# Altium PCB PCB1 - 副本 (2).PcbDoc (part 2 of 2)
Units mm, origin at the board's own origin, x right, y up, seen from the top; angles counter-clockwise.
Board outline 37.12 x 50.11 mm, 4 copper layers (Top Layer, GND02, PWRO3, Bottom Layer), stack 0.603 mm thick; 63 components, 63 nets, 344 pads, 86 vias.
Unrouted connection lines stored in the file: 23.
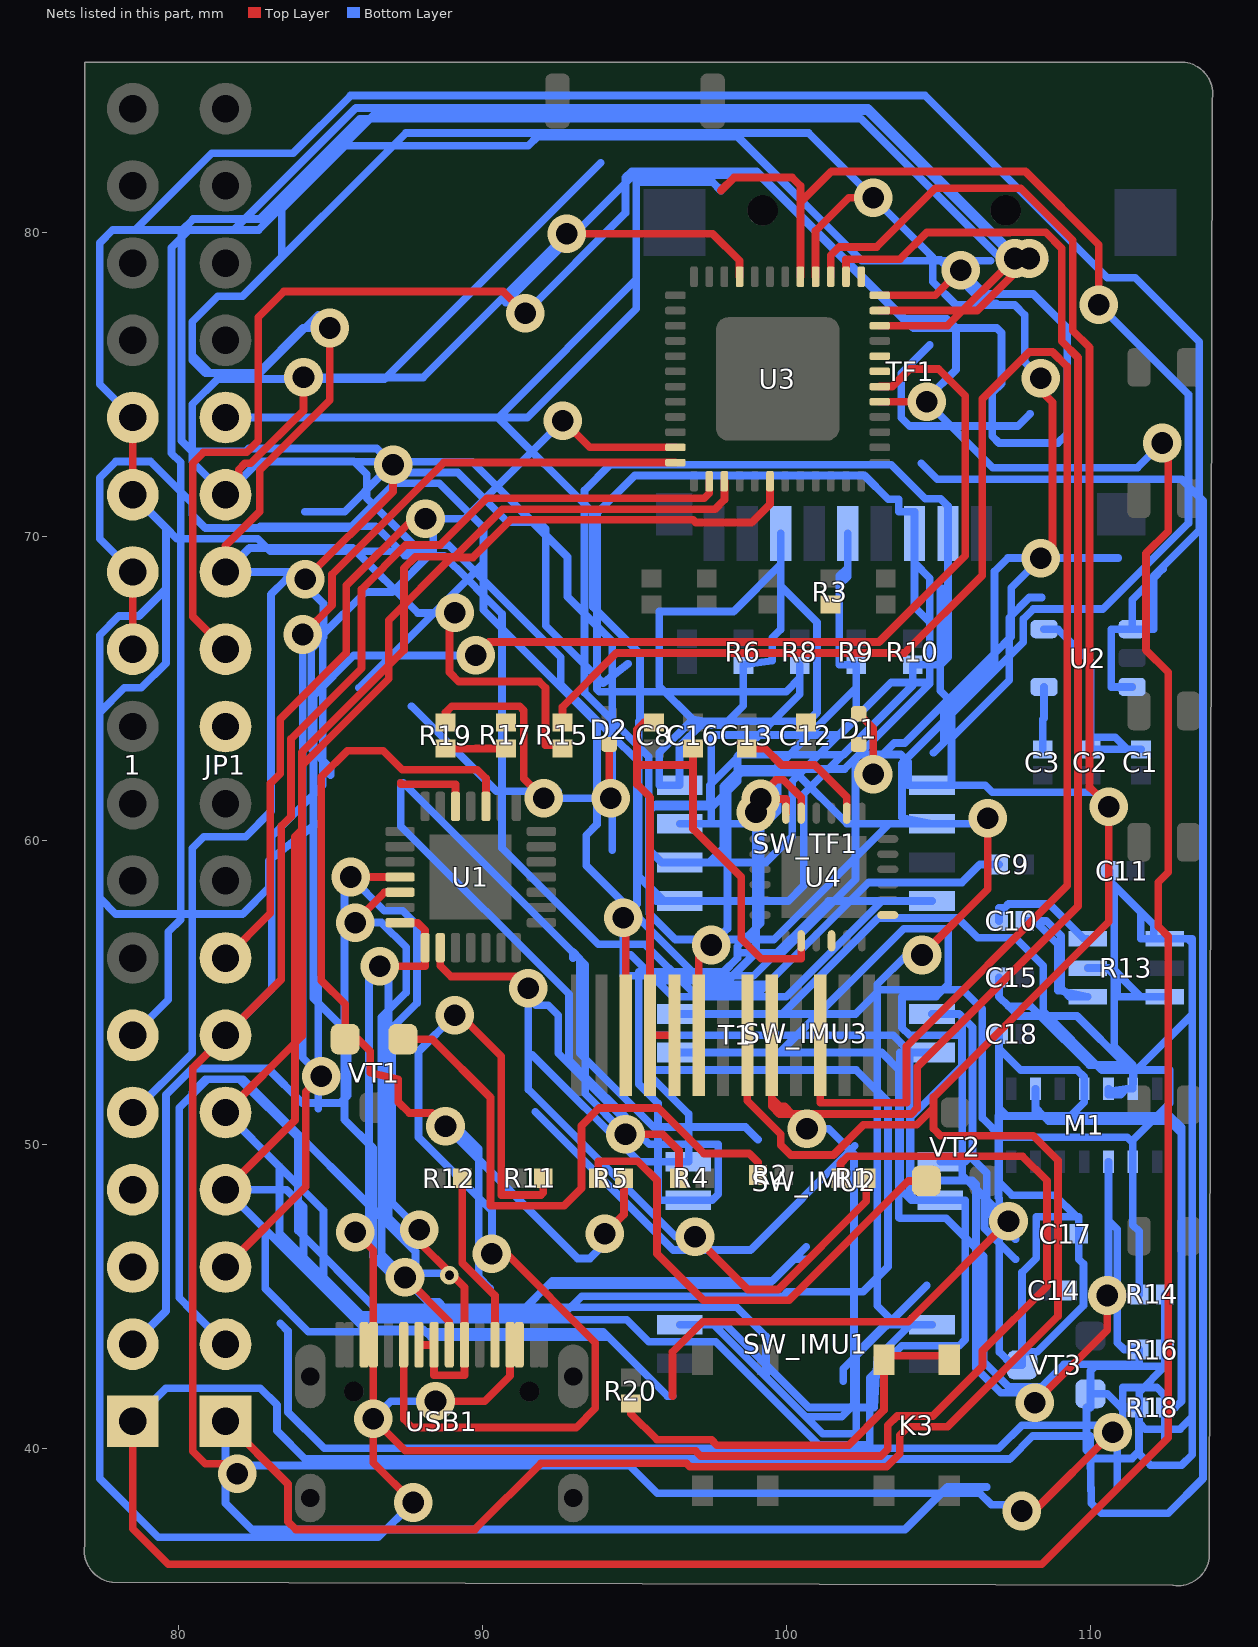
[diagram p4: the nets of this part, all layers, seen from the top]

## Via types
v1: diameter 1.27, hole 0.711, Top Layer to Bottom Layer, tented both sides, 85 vias
v2: diameter 0.61, hole 0.305, Top Layer to Bottom Layer, tented both sides, 1 vias

## Nets (pads, with @x,y where several pads share a name; then routed paths per layer and width w, separated by ;. In a path a pad name is that pad's centre, name@x,y a point inside that pad or via, vN(x,y) a via of type N, cw(c..) or ccw(c..) an arc to the next point about the centre after c; other vN are vias at no path point) (continued)
GPIO14: JP1.14 SW_IMU1.2 SW_IMU1.3 SW_TF1.6 T1.9 U3.17 | length 161.9
  Top Layer w0.254: T1.9@97.1,53.6 97.1,56.155 v1(97.511,56.566) ; 97.834,81.382 98.26,81.808 100.178,81.808 100.445,81.541 100.445,80.989 ; U3.17@100.445,78.547 100.445,80.989 ; v1(104.445,56.236) 106.604,58.395 v1(106.604,60.731) ; v1(110.261,77.622) 110.261,79.598 107.85,82.01 101.466,82.01 100.445,80.989
  Bottom Layer w0.254: JP1.14@81.534,73.914 90.494,73.914 ; SW_IMU1.2@96.474,44.077 97.596,44.077 ; v1(97.511,56.566) v1@97.688,56.744 ; 97.834,81.382 97.561,81.654 ; v1(104.445,56.236) 103.937,56.236 102.972,55.27 102.972,44.704 103.599,44.077 ; SW_IMU1.3@104.774,44.077 SW_IMU1.3@104.062,44.077 ; v1(106.604,60.731) 106.422,60.55 SW_TF1.6@104.774,60.55 ; v1(110.261,77.622) 113.208,74.676 113.208,70.434 110.388,67.615 108.102,67.615 107.772,67.285 107.772,66.523 103.784,62.535 103.784,60.757 SW_TF1.6@104.774,60.55 ; 90.494,73.914 90.5,73.914 ; 90.494,73.914 90.497,73.911 ; 90.497,73.911 90.5,73.914 ; 90.497,73.911 93.624,70.784 93.624,67.684 95.171,66.137 95.171,63.96 95.123,63.913 95.123,58.826 95.477,58.472 95.477,57.601 96.335,56.744 v1@97.688,56.744 ; 90.5,73.914 95.047,78.461 ; 90.5,73.914 91.462,73.914 95.047,77.499 95.047,78.461 ; 95.047,78.461 95.047,81.654 ; 95.047,81.654 95.047,81.661 97.554,81.661 97.561,81.654 ; 95.047,81.654 97.561,81.654 ; 97.596,44.077 97.993,44.077 100.717,41.353 102.286,41.353 ; 97.596,44.077 101.185,40.488 102.286,40.488 102.286,41.353 ; v1@97.688,56.744 98.044,57.099 98.044,61.773 98.501,62.23 100.301,62.23 101.981,60.55 103.372,60.55 ; v1@97.688,56.744 99.566,56.744 103.372,60.55 ; 102.286,41.353 102.286,43.137 103.226,44.077 103.599,44.077 ; 102.286,41.353 102.868,41.353 102.976,42.991 SW_IMU1.3@104.062,44.077 ; 103.372,60.55 SW_TF1.6@104.774,60.55 ; 103.599,44.077 SW_IMU1.3@104.062,44.077
GPIO15: JP1.13 SW_TF1.8 T1.12 U3.21 | length 116
  Top Layer w0.254: JP1.13@81.534,71.374 81.966,71.374 81.966,72.201 82.176,72.411 82.368,72.411 84.099,74.143 v1(84.099,75.235) ; v1(92.761,79.959) 97.554,79.959 98.445,79.068 U3.21@98.445,78.547 ; v1(94.615,57.455) 94.7,57.37 T1.12@94.7,53.6
  Bottom Layer w0.254: v1(84.099,75.235) 86.817,75.235 ; v1(92.761,79.959) 88.036,75.235 86.817,75.235 ; 93.878,82.296 86.817,75.235 ; 94.259,59.69 94.259,63.449 ; 94.7,56.244 94.86,56.244 95.555,55.55 ; SW_TF1.8@104.774,58.01 103.124,58.01 ; 82.62,72.46 85.769,72.46 ; 82.62,72.46 82.638,72.478 85.75,72.478 85.769,72.46 ; 82.62,72.46 JP1.13@81.534,71.374 80.442,72.466 80.442,74.346 81.28,75.184 86.766,75.184 86.817,75.235 ; 85.769,72.46 89.649,72.46 92.783,69.326 92.783,68.024 94.259,66.548 94.259,63.449 ; 85.769,72.46 86.184,72.045 86.184,71.259 87.718,69.725 88.866,69.725 92.565,66.026 92.565,65.144 94.259,63.449 ; 94.259,63.449 95.072,62.636 95.072,57.912 v1(94.615,57.455) 94.615,55.55 95.555,55.55 ; 95.555,55.55 96.241,54.864 99.978,54.864 103.124,58.01 ; 95.555,55.55 98.911,55.55 101.371,58.01 103.124,58.01
GPIO18: JP1.7 U3.35 | length 27.3
  Top Layer w0.254: JP1.7@81.534,56.134 83.007,57.607 83.007,61.874 83.337,62.204 83.337,63.999 85.51,66.173 85.51,68.39 87.706,70.587 v1(88.113,70.587) ; v1(92.634,73.812) 93.512,72.934 U3.35@96.332,72.934
  Bottom Layer w0.254: v1(88.113,70.587) 89.408,70.587 v1(92.634,73.812)
GPIO19: JP1.6 M1.9 R18.2 U3.38 | length 154.6
  Top Layer w0.254: v1(81.915,39.167) 81.585,39.497 80.874,39.497 80.457,39.914 80.457,52.517 JP1.6@81.534,53.594 83.371,55.431 83.371,60.476 83.691,60.795 83.691,63.352 86.011,65.672 86.011,68.269 87.466,69.725 88.595,69.725 90.127,71.257 97.278,71.257 97.445,71.424 U3.38@97.445,71.821 ; v1(107.721,37.948) 108.128,37.948 v1(110.719,40.538)
  Bottom Layer w0.254: JP1.6@81.534,53.594 83.058,55.118 83.058,60.147 84.734,61.824 84.734,66.777 86.131,68.174 87.016,68.174 88.367,69.525 88.367,70.434 ; v1(81.915,39.167) 82.194,39.446 94.818,39.446 95.733,38.532 106.35,38.532 106.731,38.151 107.518,38.151 v1(107.721,37.948) ; 83.337,44.12 83.591,43.866 83.591,41.199 84.782,40.008 106.971,40.008 107.733,40.771 110.156,40.771 110.871,40.056 110.871,38.735 ; M1.9@108.177,51.834 108.177,51.206 ; v1(110.719,40.538) 111.049,40.869 111.049,42.012 112.166,42.012 112.437,41.741 R18.2@112.437,41.354 ; 112.446,40.31 112.437,40.318 R18.2@112.437,41.354 ; 108.177,51.206 108.177,50.952 108.431,50.952 ; 108.177,51.206 108.431,50.952 ; 108.431,50.952 112.598,50.952 112.979,50.571 112.979,50.368 ; 108.431,50.952 108.609,50.775 112.573,50.775 112.979,50.368 ; R18.2@112.437,41.354 112.776,41.354 ; 112.776,41.354 112.779,41.354 112.979,41.554 112.979,41.557 ; 112.776,41.354 112.979,41.557 ; 112.979,41.557 112.979,50.368
GPIO21: JP1.5 SW_IMU2.4 SW_IMU3.4 U3.42 | length 131.5
  Top Layer w0.254: JP1.5@81.534,51.054 84.049,53.569 84.049,62.461 86.906,65.318 86.906,67.251 88.97,69.314 89.677,69.314 90.911,70.548 96.913,70.548 97.001,70.46 98.837,70.46 99.445,71.068 U3.42@99.445,71.821
  Bottom Layer w0.254: JP1.5@81.534,51.054 83.312,49.276 ; SW_IMU3.4@104.774,53.027 SW_IMU3.4@104.038,53.027 ; 83.312,49.276 84.76,47.828 84.76,45.641 ; 83.312,49.276 83.312,47.089 84.76,45.641 ; 84.76,45.641 84.76,45.517 85.877,44.399 86.002,44.399 ; 84.76,45.641 86.002,44.399 ; 86.002,44.399 92.634,44.399 93.249,45.014 99.874,45.014 100.02,45.16 102.503,45.16 103.327,45.984 103.327,51.41 102.286,52.451 95.479,52.451 95.479,53.594 103.497,53.594 103.999,53.091 103.999,53.027 ; 86.002,44.399 86.165,44.236 94.727,44.236 95.453,43.51 97.662,43.51 101.045,40.127 102.73,40.127 102.73,42.329 103.784,43.383 105.664,43.383 105.867,43.586 105.867,48.165 SW_IMU2.4@105.05,48.165 104.242,48.165 ; 103.999,53.027 SW_IMU3.4@104.038,53.027 ; 103.999,53.027 103.719,53.027 103.719,48.545 104.099,48.165 104.242,48.165 ; 103.999,53.027 103.999,52.867 SW_IMU3.4@104.038,52.828 ; SW_IMU3.4@104.038,52.828 SW_IMU3.4@104.038,53.027 ; SW_IMU3.4@104.038,52.828 104.038,48.368 104.242,48.165
GPIO22: JP1.4 SW_IMU2.3 SW_IMU3.3 U3.39 | length 105.1
  Top Layer w0.254: JP1.4@81.534,48.514 83.82,50.8 83.82,60.122 84.049,60.35 84.049,62.908 87.403,66.262 87.403,68.953 87.786,69.336 89.079,69.336 90.646,70.903 97.636,70.903 97.945,71.212 U3.39@97.945,71.821 ; 96.241,41.732 96.241,43.18 97.23,44.169 103.986,44.169 v1(107.29,47.473)
  Bottom Layer w0.254: 96.241,41.732 96.063,41.732 94.137,43.658 ; SW_IMU3.3@104.774,54.297 105.664,54.297 105.766,54.195 ; SW_IMU2.3@105.05,49.435 SW_IMU2.3@105.766,49.435 ; v1(107.29,47.473) 106.575,48.187 106.575,49.064 106.105,49.534 106.105,49.673 ; 107.518,46.228 106.502,47.244 106.502,47.904 ; v1@107.518,46.888 106.502,47.904 ; 82.842,47.206 84.099,45.949 ; 82.842,47.206 JP1.4@81.534,48.514 83.541,48.514 84.099,47.955 84.099,45.949 ; 82.842,47.206 82.842,45.264 84.261,43.845 88.11,43.845 ; 84.099,45.949 86.131,43.917 88.038,43.917 88.11,43.845 ; 88.11,43.845 88.297,43.658 94.137,43.658 ; 88.11,43.845 93.95,43.845 94.137,43.658 ; SW_IMU2.3@105.766,49.435 105.766,54.195 ; SW_IMU2.3@105.766,49.435 105.867,49.435 106.105,49.673 ; SW_IMU2.3@105.766,49.435 105.766,48.997 106.502,48.26 106.502,47.904 ; 105.766,54.195 106.105,53.856 106.105,49.673
GPIO23: JP1.3 U3.36 | length 37.6
  Top Layer w0.254: JP1.3@81.534,45.974 84.176,48.616 84.176,51.74 v1(84.684,52.248) ; v1(84.074,66.777) 85.039,67.742 85.039,68.758 88.715,72.434 U3.36@96.332,72.434
  Bottom Layer w0.254: v1(84.074,66.777) 84.074,52.857 v1(84.684,52.248)
GPIO25: JP1.2 T1.6 U3.14 | length 136.6
  Top Layer w0.254: T1.6@99.5,53.6 99.5,51.528 ; v1(100.66,50.521) 100.178,51.003 ; U3.14@101.945,78.547 101.945,79.121 103.718,79.121 104.597,80 107.33,80 107.34,80.01 108.509,80.01 109.045,79.473 109.045,76.421 109.576,75.891 109.576,57.836 104.292,52.553 104.292,51.206 104.089,51.003 100.178,51.003 ; 99.5,51.528 99.5,51.257 99.754,51.003 100.178,51.003 ; 99.5,51.528 99.771,51.257 99.924,51.257 100.178,51.003
  Bottom Layer w0.254: JP1.2@81.534,43.434 80.442,44.526 ; 100.635,46.228 100.235,46.228 99.375,45.368 92.134,45.368 ; 100.635,46.634 99.514,45.514 92.28,45.514 92.134,45.368 ; v1(100.66,50.521) 101.371,50.521 102.208,49.684 102.208,41.453 101.802,41.046 100.627,41.046 99.31,42.363 99.31,43.692 98.349,44.653 91.419,44.653 ; 80.442,44.526 80.442,51.638 ; 80.442,44.526 80.01,44.958 80.01,51.206 80.442,51.638 ; 80.442,51.638 80.95,52.146 ; 80.442,51.638 80.442,51.716 80.872,52.146 80.95,52.146 ; 80.95,52.146 81.995,52.146 ; 81.995,52.146 82.118,52.146 87.782,46.482 87.782,45.237 88.189,44.831 88.54,44.831 88.718,44.653 ; 81.995,52.146 83.922,50.22 83.922,47.168 86.436,44.653 88.718,44.653 ; 88.718,44.653 91.419,44.653 ; 88.718,44.653 89.005,44.366 91.132,44.366 91.419,44.653 ; 91.419,44.653 92.134,45.368
GPIO26: JP1.1 SW_TF1.5 T1.7 U3.15 | length 154.6
  Top Layer w0.254: JP1.1@81.534,40.894 83.591,38.837 83.591,37.592 83.843,37.341 89.738,37.341 91.915,39.517 96.695,39.517 96.812,39.4 103.283,39.4 103.71,39.827 103.71,40.439 103.988,40.716 105.283,40.716 108.915,44.348 108.915,49.479 108.102,50.292 105.054,50.292 104.826,50.521 104.826,51.206 ; T1.7@98.7,53.6 98.7,51.439 99.798,50.341 99.798,49.987 100.127,49.659 101.532,49.659 102.521,50.648 104.267,50.648 104.826,51.206 ; U3.15@101.445,78.547 101.445,79.248 101.724,79.527 102.954,79.527 104.88,81.454 107.696,81.454 109.399,79.751 109.399,76.775 109.957,76.218 109.957,61.747 v1(110.592,61.112) 110.592,57.328 104.826,51.562 104.826,51.206
  Bottom Layer w0.254: JP1.1@81.534,40.894 81.534,38.202 82.398,37.338 103.886,37.338 105.283,38.735 106.578,38.735 ; 98.45,56.312 99.847,56.312 102.26,58.725 102.26,62.687 102.405,62.832 103.741,62.832 103.988,62.586 103.988,61.82 SW_TF1.5@104.774,61.82 SW_TF1.5@105.411,61.82 ; 105.105,68.301 105.049,68.301 105.049,64.928 105.411,64.565 105.411,63.37 ; 108.382,67.996 107.975,67.996 107.31,67.33 107.31,65.269 105.411,63.37 ; v1(110.592,61.112) 110.111,61.593 106.753,61.593 106.526,61.82 SW_TF1.5@105.411,61.82 ; SW_TF1.5@105.411,61.82 105.411,63.37
GPIO27: D1.2 JP1.12 R15.1 U3.16 | length 129.5
  Top Layer w0.254: JP1.12@81.534,68.834 81.534,69.698 82.659,70.822 82.659,72.177 84.961,74.479 v1(84.961,76.86) ; v1(89.078,67.488) 89.078,67.113 88.902,66.937 88.902,65.532 89.205,65.229 91.852,65.229 92.057,65.024 92.057,63.138 92.616,63.138 R15.1@92.616,63.031 ; U3.16@100.945,78.547 100.945,80.061 102.032,81.148 v1(102.845,81.148) ; D1.2@102.362,64.175 102.845,63.693 v1(102.845,62.179) ; v1(108.356,69.291) 108.737,69.672 108.737,74.422 108.356,74.803 v1(108.356,75.209)
  Bottom Layer w0.254: 84.15,70.815 85.454,70.815 86.744,72.106 89.176,72.106 90.814,70.468 91.846,70.468 92.065,70.249 92.065,67.066 93.955,65.176 94.771,65.815 ; v1(84.961,76.86) 84.084,76.86 82.601,75.377 80.874,75.377 80.442,75.809 80.442,77.064 81.28,77.902 82.093,77.902 87.463,83.272 100.72,83.272 v1(102.845,81.148) 104.801,79.191 104.801,79.096 ; 84.988,62.156 84.988,62.382 84.353,63.017 84.353,66.294 84.758,66.699 84.758,67.794 83.718,68.834 JP1.12@81.534,68.834 82.323,69.623 85.723,69.623 87.859,67.488 v1(89.078,67.488) ; v1(102.845,62.179) 102.845,62.522 103.532,63.209 103.875,63.209 106.832,66.167 ; 104.648,79.096 104.801,79.096 ; 104.826,62.89 105.156,63.221 105.156,64.211 106.172,65.227 106.223,65.227 106.832,65.837 106.832,66.167 ; 106.883,77.673 106.477,77.673 105.054,79.096 104.801,79.096 ; v1(108.356,75.209) 107.825,75.741 107.825,77.285 107.493,77.618 105.562,77.618 104.801,78.378 104.801,79.096 ; 110.896,69.291 v1(108.356,69.291) ; 106.832,66.167 106.832,68.859 107.264,69.291 v1(108.356,69.291) ; 106.832,66.167 107.378,66.713 107.378,68.313 v1(108.356,69.291)
GPIO32: JP1.11 U3.12 | length 97.7
  Top Layer w0.254: JP1.11@81.534,66.294 80.457,67.371 80.457,72.415 80.813,72.771 82.227,72.771 82.611,73.155 82.611,77.216 83.454,78.059 90.674,78.059 v1(91.389,77.343) ; U3.12@103.058,77.934 104.883,77.934 v1(105.715,78.765)
  Bottom Layer w0.254: 84.582,77.292 82.667,75.377 81.03,75.377 80.442,75.965 80.442,77.064 81.28,77.902 82.093,77.902 83.388,79.197 83.388,80.772 85.471,82.855 91.491,82.855 91.796,83.16 98.374,83.16 102.464,79.07 106.705,79.07 ; v1(91.389,77.343) 94.691,80.645 94.691,81.813 94.894,82.017 99.008,82.017 104.165,76.86 106.908,76.86 107.059,76.708 107.059,75.032 106.756,74.728 106.756,73.296 106.977,73.076 108.915,73.076 109.22,73.381 109.22,76.86 108.102,77.978 106.502,77.978 v1(105.715,78.765)
GPIO33: JP1.10 U3.13
GPIO34: 1.6 U3.10 | length 85
  Top Layer w0.254: U3.10@103.058,76.934 105.28,76.934 v1(107.493,79.146)
  Bottom Layer w0.254: 1.6@78.486,53.594 79.654,54.762 79.654,56.998 80.061,57.404 80.061,72.441 79.756,72.746 79.756,79.502 80.34,80.086 82.626,80.086 86.538,83.998 102.641,83.998 v1(107.493,79.146) ; 90.754,77.699 94.945,81.89 99.085,81.89 103.811,77.164 105.258,77.164 105.562,76.859 105.562,75.489 104.623,74.549
GPIO35: 1.5 U3.11 | length 84.6
  Top Layer w0.254: v1(84.163,68.593) 87.046,71.476 v1(87.046,72.365) ; U3.11@103.058,77.434 106.263,77.434 v1(107.975,79.146)
  Bottom Layer w0.254: 1.5@78.486,51.054 80.442,53.01 80.442,59.741 80.823,60.122 82.194,60.122 83.033,60.96 83.033,68.097 83.528,68.593 v1(84.163,68.593) ; v1(87.046,72.365) 86.512,72.898 82.296,72.898 82.194,72.796 80.442,72.796 80.086,73.152 80.086,80.061 80.467,80.442 82.652,80.442 85.954,83.744 102.438,83.744 107.036,79.146 v1(107.975,79.146) ; 104.699,76.302 103.759,75.362 103.759,73.914 104.038,73.635 107.594,73.635 108.001,74.041
GPIO37: 1.2 U3.6 | length 61.2
  Top Layer w0.254: v1(89.764,66.091) 90.204,66.531 103.031,66.531 105.867,69.367 105.867,74.633 104.991,75.509 104.038,75.509 103.463,74.934 U3.6@103.058,74.934
  Bottom Layer w0.254: 1.2@78.486,43.434 79.578,44.526 79.578,51.638 80.442,52.502 82.931,52.502 84.063,51.37 85.303,51.37 85.546,51.613 85.546,53.696 84.43,54.812 84.43,64.77 85.75,66.091 v1(89.764,66.091)
GPIO38: 1.3 U3.7
LEDA: R15.2 T1.4 | length 57
  Top Layer w0.254: R15.2@92.616,63.881 92.616,64.391 94.396,66.172 103.88,66.172 106.428,68.719 106.428,74.524 107.975,76.071 108.739,76.071 109.22,75.59 109.22,58.522 103.937,53.238 103.937,51.373 101.1,51.373 T1.4@101.1,53.6
MAX_SCL: M1.2 R14.1 SW_IMU3.2 | length 44.4
  Bottom Layer w0.254: SW_IMU3.2@96.474,54.297 99.855,54.297 ; R14.1@111.587,45.07 111.587,47.142 111.377,47.352 M1.2@111.377,49.434 111.377,50.065 ; 99.855,54.297 102.26,54.297 103.056,55.093 105.791,55.093 106.426,54.458 106.426,50.876 107.059,50.243 111.2,50.243 111.377,50.065 ; 99.855,54.297 103.009,57.452 105.624,57.452 106.275,56.8 107.513,56.8 108.433,55.88 108.433,54.381 110.363,52.451 112.598,52.451 112.598,51.36 111.377,50.14 111.377,50.065
MAX_SDA: M1.3 R16.1 SW_IMU3.1 | length 69.2
  Top Layer w0.254: v1(108.153,41.504) 110.541,43.891 v1(110.541,45.034)
  Bottom Layer w0.254: SW_IMU3.1@96.474,53.027 99.771,53.027 ; v1(108.153,41.504) 107.823,41.834 107.034,41.834 106.221,42.647 106.221,46.585 ; v1(110.541,45.034) 110.577,45.071 110.577,47.512 ; M1.3@110.577,49.434 110.577,47.512 ; 99.771,53.027 103.124,53.027 103.684,52.467 103.684,47.6 103.712,47.572 105.234,47.572 106.221,46.585 ; 99.771,53.027 103.842,57.098 105.308,57.098 105.308,55.27 104.902,54.864 103.784,54.864 103.784,53.848 104.038,53.594 105.751,53.594 105.751,52.58 104.073,50.902 104.073,48.819 106.094,48.819 106.221,48.692 106.221,46.585 ; 106.221,46.585 106.477,46.33 106.477,42.85 107.29,42.037 108.382,42.037 109.118,42.774 111.587,42.774 R16.1@111.587,43.259 111.097,43.259 110.871,43.485 110.871,45.034 110.871,47.219 110.577,47.512
MPU_SCL: SW_IMU2.2 U4.23 | length 24.5
  Top Layer w0.254: v1(98.984,60.935) 98.984,61.341 99.644,62.001 99.885,62.001 100.469,61.417 U4.23@100.469,60.901
  Bottom Layer w0.254: 91.618,52.959 95.142,49.435 SW_IMU2.2@96.75,49.435 96.774,49.435 96.774,51.003 95.479,52.299 95.479,55.397 98.065,55.397 98.984,56.317 v1(98.984,60.935)
MPU_SDA: SW_IMU2.1 U4.24 | length 30.4
  Top Layer w0.254: v1(99.136,61.366) 99.969,61.366 U4.24@99.969,60.901
  Bottom Layer w0.254: 91.745,54.585 92.151,54.585 92.481,54.254 92.481,53.007 95.475,50.013 95.758,50.013 ; v1(99.136,61.366) 99.136,57.282 98.373,56.518 98.373,56.134 97.915,55.677 95.123,55.677 95.123,51.994 95.758,51.359 95.758,50.013 ; 95.758,50.013 97.739,50.013 97.739,48.368 97.536,48.165 SW_IMU2.1@96.75,48.165 95.758,48.165 95.758,50.013
NetC3_2: C3.2 U2.4 | length 2.1
  Bottom Layer w0.254: C3.2@108.42,62.999 108.42,63.983 108.461,64.024 U2.4@108.461,65.054
NetC10_1: C10.1 R13.4 | length 7.7
  Bottom Layer w0.254: C10.1@107.825,57.356 108.15,57.356 ; 108.15,57.356 108.534,57.356 109.017,56.873 109.017,55.145 109.137,55.024 ; 108.15,57.356 108.915,56.591 108.915,55.07 109.137,55.024 ; 109.137,55.024 R13.4@109.896,54.867 109.295,54.867 109.137,55.024
NetC10_2: C10.2 R13.6 | length 3.9
  Bottom Layer w0.254: C10.2@106.975,57.356 106.975,57.785 107.163,57.785 107.29,57.912 108.631,57.912 109.772,56.772 R13.6@109.896,56.772
NetC11_2: C11.2 C15.2 M1.12 M1.13 R13.1 R14.2 R16.2 R18.1 VT3.2 | length 82.3
  Bottom Layer w0.254: C15.2@106.975,55.498 106.975,54.864 107.293,54.546 ; M1.12@110.577,51.834 M1.12@110.577,51.75 ; C11.2@110.614,59.007 110.614,58.677 ; R14.2@112.437,45.07 R16.2@112.437,43.259 112.437,42.709 ; 107.293,54.546 107.612,54.227 108.336,54.227 ; 107.293,54.546 108.017,54.546 108.336,54.227 ; 108.336,54.227 109.943,52.62 111.151,52.62 ; 108.336,54.227 109.544,54.227 111.151,52.62 ; VT3.2@109.987,41.801 109.987,41.351 109.857,41.351 109.857,39.954 110.134,39.676 111.354,39.676 111.584,39.907 ; VT3.2@109.987,41.801 109.987,42.56 110.134,42.707 112.435,42.707 ; VT3.2@109.987,41.801 110.541,41.801 110.988,41.354 R18.1@111.587,41.354 ; M1.12@110.577,51.75 110.589,51.752 111.168,51.834 ; M1.12@110.577,51.75 110.577,51.638 110.973,51.638 111.168,51.834 ; 110.614,58.677 110.614,58.675 110.769,58.52 ; 110.614,58.677 110.769,58.522 ; 110.769,58.52 111.643,57.647 111.643,56.772 R13.1@112.065,56.772 ; 110.769,58.52 110.769,58.522 ; 110.769,58.52 110.769,53.237 111.377,52.629 111.377,52.62 ; 110.769,58.522 112.065,57.226 R13.1@112.065,56.772 ; 111.151,52.62 111.377,52.62 ; 111.151,52.62 111.377,52.394 ; 111.168,51.834 M1.13@111.377,51.834 ; M1.13@111.377,51.834 111.377,52.322 ; M1.13@111.377,51.834 111.413,52.358 ; 111.377,52.322 111.377,52.394 ; 111.377,52.322 111.413,52.358 ; 111.377,52.394 111.377,52.62 ; 111.377,52.394 111.413,52.358 ; 111.413,52.358 113.333,54.278 ; 111.584,39.907 111.584,41.092 R18.1@111.587,41.092 ; 111.584,39.907 111.584,39.827 111.963,39.448 112.979,39.448 113.333,39.802 113.333,41.045 ; 111.584,39.907 111.587,39.91 111.587,40.843 ; 111.587,40.843 R18.1@111.587,41.092 ; 111.587,40.843 111.791,40.64 112.928,40.64 113.333,41.045 ; R18.1@111.587,41.092 R18.1@111.587,41.354 ; R18.1@111.587,41.354 111.587,41.859 112.435,42.707 ; R13.1@112.065,56.772 R13.1@112.436,56.772 113.182,56.772 ; 112.435,42.707 112.437,42.709 ; 112.435,42.707 112.437,42.707 112.437,42.709 ; 113.182,56.772 113.333,56.621 ; 113.182,56.772 113.333,56.772 113.333,56.621 ; 113.333,41.045 113.333,54.278 ; 113.333,41.045 113.335,41.046 113.335,56.619 113.333,56.621 ; 113.333,54.278 113.333,56.621
NetC12_1: C12.1 U4.10
NetC13_2: C13.2 U4.20 | length 4.5
  Top Layer w0.254: C13.2@98.679,63.031 99.275,63.031 99.822,62.484 100.92,62.484 101.969,61.435 U4.20@101.969,60.901
NetC17_1: C17.1 C18.1 M1.11 VT3.3 | length 36.2
  Bottom Layer w0.254: C18.1@106.975,53.64 106.975,53.172 ; 106.975,50.937 107.245,50.937 ; 106.975,50.937 106.959,50.937 106.959,48.26 106.985,48.235 106.985,43.18 107.414,42.751 VT3.3@107.737,42.751 VT3.3@107.737,43.182 ; 106.975,50.937 106.975,51.206 ; 106.975,50.937 106.975,48.768 107.408,48.335 108.817,48.335 109.527,47.625 ; 106.975,51.206 106.975,53.172 ; 106.975,51.206 107.245,50.937 ; 106.975,53.172 107.696,52.451 109.549,52.451 109.777,52.222 M1.11@109.777,51.834 109.777,51.392 109.322,50.937 107.245,50.937 ; VT3.3@107.737,43.182 108.231,43.182 109.753,44.704 109.753,46.078 109.603,46.228 C17.1@109.603,47.069 109.603,47.549 ; VT3.3@107.737,43.182 107.737,45.798 108.204,46.265 108.204,47.625 109.527,47.625 ; 109.527,47.625 109.603,47.549 ; 109.527,47.625 109.603,47.625 109.603,47.549
NetD1_1: D1.1 R17.2
NetD2_1: D2.1 R19.2 | length 16.2
  Top Layer w0.254: R19.2@88.773,63.881 88.773,64.211 88.979,64.417 91.209,64.417 91.349,64.277 91.349,62.042 v1(91.999,61.392) ; D2.1@94.155,63.159 94.155,61.446 v1(94.209,61.392)
  Bottom Layer w0.254: 87.655,64.414 90.449,61.62 v1@92.481,61.62 ; v1(91.999,61.392) v1(94.209,61.392)
NetK3_2: K3.2 K3.4 R20.1 | length 13.6
  Top Layer w0.254: R20.1@94.869,41.485 94.869,41.148 95.731,40.286 97.52,40.286 97.698,40.108 102.03,40.108 103.192,41.27 K3.2@103.192,42.917 103.192,43.054 105.342,43.054 K3.4@105.342,42.917
NetR1_1: R1.1 U1.9 | length 36.8
  Top Layer w0.254: U1.9@88.6,56.476 88.6,55.88 88.955,55.525 91.106,55.525 v1(91.492,55.139) ; v1(96.977,46.965) 98.711,45.231 99.713,45.231 102.615,48.133 R1.1@102.615,48.895
  Bottom Layer w0.254: v1(91.492,55.139) 91.492,51.814 96.342,46.965 v1(96.977,46.965) ; 91.719,51.08 96.267,46.533 98.806,46.533 102.235,49.962
NetR2_1: R2.1 VT1.1 | length 30.4
  Top Layer w0.254: VT1.1@87.371,53.467 88.332,53.467 90.252,51.547 90.252,47.989 92.668,47.989 93.243,48.565 93.243,50.622 93.828,51.206 95.773,51.206 97.27,49.709 98.755,49.709 99.05,49.415 R2.1@99.05,49
  Bottom Layer w0.254: 92.964,56.134 92.964,56.337 93.189,56.112 93.189,53.007 95.621,50.575 98.64,50.575 99.05,50.165
NetR4_1: R4.1 U1.26 | length 34.8
  Top Layer w0.254: 87.3,61.9 87.3,61.849 89.1,61.849 U1.26@89.1,61.124 ; v1(94.691,50.343) 95.91,50.343 96.449,49.804 R4.1@96.449,48.895
  Bottom Layer w0.254: 87.351,61.849 87.3,61.9 ; 87.3,61.9 87.376,61.9 93.363,55.912 93.363,52.237 ; 87.3,61.9 87.3,60.476 92.835,54.94 92.835,52.765 93.363,52.237 ; 93.363,52.237 94.691,50.909 v1(94.691,50.343) 93.363,51.671 93.363,52.237
NetR5_1: R5.1 VT2.1 | length 20.6
  Top Layer w0.254: R5.1@93.791,48.895 93.791,49.454 95.098,49.454 95.729,48.822 95.729,46.404 97.257,44.877 100.071,44.877 103.998,48.804 VT2.1@104.587,48.804
  Bottom Layer w0.254: 101.854,42.215 101.854,42.621 104.597,45.364
NetR11_1: R11.1 USB1.A5 | length 33.8
  Top Layer w0.254: USB1.A5@87.396,43.414 87.396,40.976 87.681,40.691 93.066,40.691 93.701,41.326 93.701,43.485 90.78,46.406 v1(90.297,46.406) ; v1(89.08,54.256) 89.256,54.256 90.606,52.907 90.606,48.343 91.914,48.343 91.983,48.412 R11.1@91.983,48.895
  Bottom Layer w0.254: v1(89.08,54.256) 87.884,53.061 87.884,50.241 90.297,47.828 v1(90.297,46.406)
NetR12_1: R12.1 USB1.B5 | length 11.4
  Top Layer w0.254: R12.1@89.325,48.895 89.325,46.105 90.396,45.034 USB1.B5@90.396,43.414
  Bottom Layer w0.254: 89.325,50.4 89.865,49.86 89.865,45.644 90.246,45.263
RTS: R5.2 U1.24 VT1.2 | length 31
  Top Layer w0.254: v1(88.77,50.597) 88.325,51.042 87.579,51.042 87.22,51.401 87.22,52.146 86.295,52.366 86.295,53.072 85.9,53.467 VT1.2@85.471,53.467 85.471,54.61 84.684,55.397 84.684,62.096 85.546,62.958 86.72,62.958 87.345,62.333 89.814,62.333 90.1,62.048 U1.24@90.1,61.124 ; v1(94.005,47.067) 94.641,47.702 R5.2@94.641,48.895
  Bottom Layer w0.254: v1(88.77,50.597) 93.112,46.255 93.524,46.255 94.005,46.736 v1(94.005,47.067)
SD_CLK: R9.1 SW_TF1.3 TF1.5 | length 23.9
  Bottom Layer w0.254: SW_TF1.3@96.474,60.55 97.511,60.55 ; TF1.5@102,70.1 102,68.98 ; 97.511,60.55 99.285,60.55 99.695,60.96 99.695,62.434 100.736,63.475 ; 97.511,60.55 97.511,63.475 100.736,63.475 ; 100.736,63.475 102.285,65.024 ; 100.736,63.475 101.752,63.475 102.285,64.007 102.285,65.024 ; 101.727,68.409 101.727,68.707 102,68.98 ; 101.727,68.409 101.727,65.785 R9.1@102.285,65.785 102.285,65.024 ; 101.727,68.409 102,68.682 102,68.98
SD_CS: R10.1 SW_TF1.1 TF1.2 | length 61.3
  Bottom Layer w0.254: 95.479,58.496 95.479,60.96 95.707,61.189 97.46,61.189 97.46,61.824 98.462,62.825 101.84,62.825 ; 95.479,58.496 95.479,58.239 95.707,58.01 SW_TF1.1@95.965,58.01 ; 95.479,58.496 SW_TF1.1@95.965,58.01 ; 95.479,58.496 95.453,58.522 95.453,62.756 93.345,64.864 93.345,71.526 94.181,72.362 103.436,72.362 104.551,71.247 105.054,71.247 105.3,71.001 TF1.2@105.3,70.1 105.3,66.031 105.054,65.785 R10.1@104.143,65.785 104.143,65.129 ; SW_TF1.1@95.965,58.01 SW_TF1.1@96.474,58.01 100.047,58.01 100.559,58.522 100.559,61.544 101.84,62.825 ; 101.84,62.825 104.143,65.129 ; 101.84,62.825 101.868,62.825 104.143,65.1 104.143,65.129
SD_MISO: R6.1 SW_TF1.4 TF1.7 | length 32.5
  Bottom Layer w0.254: SW_TF1.4@96.474,61.82 SW_TF1.4@96.469,61.82 ; TF1.7@99.8,70.1 99.8,69.088 ; SW_TF1.4@96.469,61.82 95.805,61.82 95.805,62.887 96.899,63.981 ; SW_TF1.4@96.469,61.82 96.469,63.092 97.182,63.805 ; 96.899,63.981 97.291,63.914 ; 96.899,63.981 97.076,63.805 97.182,63.805 ; 96.899,63.981 95.805,65.076 95.805,67.535 98.247,67.535 99.8,69.088 ; 97.182,63.805 97.936,63.805 ; 97.182,63.805 97.291,63.914 ; 97.291,63.914 97.936,63.805 ; 97.291,63.914 97.306,63.929 98.06,63.929 ; 97.936,63.805 98.06,63.929 ; 98.06,63.929 98.569,64.438 R6.1@98.569,65.785 99.521,65.916 99.521,66.666 99.8,66.945 99.8,68.373 ; 98.06,63.929 100.708,63.929 100.99,64.211 100.99,67.183 99.8,68.373 ; 99.8,68.373 99.8,69.088
SD_MOSI: R8.1 SW_TF1.2 TF1.3 | length 67.5
  Bottom Layer w0.254: R8.1@100.427,65.785 100.427,65.35 ; 97.456,59.28 99.31,59.28 100.178,60.147 100.178,61.951 100.584,62.357 ; 97.456,59.28 97.917,59.741 97.917,61.493 ; 97.456,59.28 SW_TF1.2@96.474,59.28 95.889,59.28 95.479,59.69 95.479,61.112 97.536,61.112 97.917,61.493 ; 97.917,61.493 98.374,61.951 98.374,62.237 ; 97.917,61.493 97.917,61.78 98.374,62.237 ; 98.374,62.237 98.494,62.357 100.584,62.357 ; 98.374,62.237 98.374,62.763 100.427,64.816 100.427,65.35 ; 100.427,65.35 99.974,64.897 93.828,64.897 93.751,64.973 93.751,70.764 94.995,72.008 102.553,72.008 103.334,71.227 103.677,71.227 103.677,70.815 104.2,70.815 TF1.3@104.2,70.1 104.2,69.13 ; 100.584,62.357 103.429,65.202 104.695,65.202 104.695,67.183 104.2,67.678 104.2,69.13 ; 100.584,62.357 101.9,62.357 104.699,65.155 104.699,68.631 104.2,69.13
SENSOR_VN: 1.4 U3.8
SENSOR_VP: 1.1 U3.5 | length 166.2
  Top Layer w0.254: 1.1@78.486,40.894 78.486,37.363 79.654,36.195 108.382,36.195 112.547,40.361 112.547,56.845 112.217,57.175 112.217,58.623 112.547,58.953 112.547,65.532 111.811,66.269 111.811,69.442 112.547,70.179 112.547,72.873 v1(112.344,73.076) ; U3.5@103.058,74.434 v1(104.597,74.434)
  Bottom Layer w0.254: 1.1@78.486,40.894 79.578,41.986 82.677,41.986 83.227,41.437 83.227,40.591 84.163,39.654 107.325,39.654 108.087,40.416 109.972,40.416 110.009,38.202 110.338,37.873 112.546,37.873 113.687,39.014 113.687,71.174 112.978,71.884 104.951,71.884 104.419,72.415 ; v1(104.597,74.434) 106.77,72.261 111.53,72.261 v1(112.344,73.076)
USB-PWR-DM: U1.5 USB1.A7 | length 28.2
  Top Layer w0.254: v1(85.801,57.302) 85.801,57.335 86.766,58.3 U1.5@87.276,58.3 ; v1(87.438,45.629) 88.896,44.171 USB1.A7@88.896,43.414
  Bottom Layer w0.254: v1(85.801,57.302) 86.663,57.302 87.476,56.49 87.476,55.005 86.893,54.423 ; 86.563,56.286 86.893,55.956 86.893,54.423 ; v1(87.438,45.629) 86.663,46.404 86.663,54.193 86.893,54.423 ; 87.706,46.787 86.893,47.6 86.893,54.423
USB-PWR-DP: U1.4 USB1.A6 USB1.B6 USB1.B7 | length 38.7
  Top Layer w0.254: v1(85.649,58.8) U1.4@87.276,58.8 ; USB1.B7@87.896,43.414 87.896,43.409 USB1.A6@88.396,43.409 ; v1(87.913,47.195) 87.913,46.788 88.95,45.75 89.396,45.305 USB1.B6@89.396,43.414 89.396,42.416 88.396,42.416 USB1.A6@88.396,43.409 ; USB1.A6@88.396,43.414 USB1.A6@88.396,43.409
  Bottom Layer w0.254: v1@85.446,58.801 85.446,50.825 86.385,49.886 86.385,46.33 86.944,45.771 88.829,45.771 v2(88.9,45.7) ; v1(85.649,58.8) 86.759,57.69 87.369,57.69 87.83,57.228 87.83,54.651 87.017,53.839 87.017,48.09 v1(87.913,47.195)
VBUS: 1.13 1.14 R1.2 U1.7 U1.8 U2.1 U2.3 USB1.A4 USB1.A9 USB1.B4 USB1.B9 | length 239.7
  Top Layer w0.254: 1.13@78.486,71.374 1.14@78.486,73.914 ; v1(85.801,47.117) 86.396,46.522 USB1.B9@86.396,43.414 ; USB1.A4@86.096,43.414 USB1.B9@86.396,43.414 ; v1(86.614,55.867) 88.1,55.867 U1.8@88.1,56.476 88.1,57.048 87.848,57.3 U1.7@87.276,57.3 ; v1(87.706,38.227) 86.396,39.537 v1(86.396,40.981) ; v1(88.443,41.554) 90.058,41.554 90.896,42.393 USB1.B4@90.896,43.414 USB1.A9@91.196,43.414 ; R1.2@101.765,48.895 101.765,49.378 102.005,49.617 107.748,49.617 108.56,48.806 108.56,45.345 106.436,43.221 106.436,42.706 104.802,41.072 103.634,41.072 103.322,40.761 103.322,39.984 103.092,39.754 97.166,39.754 96.991,39.929 87.448,39.929 v1(86.396,40.981) ; v1(86.396,40.981) USB1.B9@86.396,43.414
  Bottom Layer w0.254: 1.13@78.486,71.374 79.578,70.282 ; 1.14@78.486,73.914 77.394,75.006 77.394,79.654 77.826,80.086 78.562,80.086 ; 84.506,60.554 82.956,59.334 82.956,58.445 82.093,57.582 77.927,57.582 77.394,58.115 ; 84.582,51.181 84.582,55.423 ; v1(85.801,47.117) 86.254,47.569 86.254,55.507 v1(86.614,55.867) ; v1(86.396,40.981) 86.97,41.554 v1(88.443,41.554) ; v1(87.706,38.227) 86.562,37.083 79.325,37.083 77.394,39.014 77.394,58.115 ; 88.367,69.52 83.003,69.52 82.597,69.926 79.934,69.926 79.578,70.282 ; 108.483,79.07 108.077,79.477 107.29,79.477 102.667,84.099 85.827,84.099 81.813,80.086 78.562,80.086 ; U2.3@111.357,65.054 110.668,65.054 110.668,66.954 U2.1@111.357,66.954 ; 112.37,68.936 112.065,68.631 ; 77.394,58.115 77.394,64.211 ; 77.394,64.211 77.394,66.751 78.029,67.386 78.689,67.386 79.578,68.275 ; 77.394,64.211 78.207,65.024 78.765,65.024 79.578,65.837 79.578,68.275 ; 78.562,80.086 81.087,82.611 83.754,82.611 85.649,84.506 104.546,84.506 110.541,78.511 111.455,78.511 113.563,76.403 113.563,70.206 112.065,68.707 112.065,68.631 ; 79.578,68.275 79.578,70.282 ; U2.1@111.357,66.954 112.065,66.954 112.065,68.631 ; U2.1@111.357,66.954 111.357,67.923 112.065,68.631
VCC_3V3: 1.11 1.12 C1.2 C2.2 C8.1 C9.1 C14.1 C16.2 R3.2 R13.3 R13.5 R17.1 R19.1 T1.10 T1.11 U2.5 U4.8 U4.13 | length 122.3
  Top Layer w0.254: 1.11@78.486,66.294 1.12@78.486,68.834 ; R19.1@88.773,63.031 88.773,63.017 89.75,63.017 89.764,63.031 R17.1@90.758,63.031 ; C8.1@95.631,63.881 95.301,63.881 95.072,63.652 95.072,62.484 ; T1.10@96.3,53.6 96.3,53.594 95.5,53.594 T1.11@95.5,53.6 95.5,61.42 95.072,61.847 95.072,62.484 ; C16.2@96.912,63.031 96.912,62.484 ; U4.8@100.469,56.701 100.469,56.109 99.162,56.109 98.501,56.769 98.501,58.801 96.912,60.39 96.912,62.484 ; 95.072,62.484 96.912,62.484
  Bottom Layer w0.254: 1.12@78.486,68.834 77.394,69.926 77.394,71.933 77.927,72.466 79.07,72.466 80.442,71.095 80.442,70.714 80.874,70.282 82.628,70.282 ; 85.928,65.024 89.497,68.593 ; C9.1@106.975,59.214 106.35,59.214 105.759,58.623 102.692,58.623 99.343,55.274 ; U2.5@108.461,66.954 108.915,66.954 109.998,65.871 109.998,63.398 ; R13.5@109.896,55.807 110.541,55.807 ; C1.2@111.648,62.999 111.201,62.999 ; R13.3@112.436,54.867 111.633,54.867 ; 82.628,70.282 85.628,70.282 85.682,70.336 ; 82.628,70.282 82.682,70.336 85.682,70.336 ; 85.682,70.336 87.098,71.752 88.567,71.752 90.018,70.301 90.018,69.113 ; 85.682,70.336 86.476,70.336 87.441,69.371 88.719,69.371 89.497,68.593 ; 89.497,68.593 90.018,68.072 ; 89.497,68.593 90.018,69.113 ; 90.018,68.072 90.627,67.462 90.627,66.98 ; 90.018,68.072 90.018,69.113 ; 90.018,68.072 90.018,67.589 90.627,66.98 ; 90.627,66.98 93.751,63.856 93.751,60.528 93.397,60.174 93.397,59.18 97.304,55.274 99.343,55.274 ; 90.627,66.98 90.627,59.759 93.793,56.593 95.328,56.593 96.852,55.069 99.137,55.069 99.343,55.274 ; 109.998,63.398 110.802,63.398 111.201,62.999 ; 109.998,63.398 C2.2@109.998,62.999 111.201,62.999 ; 110.541,55.807 110.693,55.807 111.633,54.867 ; 110.541,55.807 110.871,55.476 110.871,54.867 111.633,54.867
pads on no net: A1. JP1.17 JP1.18 M1.1 M1.5 M1.6 M1.7 M1.8 M1.14 T1.1 T1.14 TF1.0 TF1.1 TF1.8 TF1.9 U1.1 U1.2 U1.6 U1.10 U1.11 U1.12 U1.13 U1.14 U1.15 U1.16 U1.17 U1.18 U1.19 U1.20 U1.21 U1.22 U1.23 U1.27 U3.25 U3.26 U3.27 U3.30 U3.31 U3.32 U3.33 U3.44 U3.45 U3.46 U3.48 U3.49 U4. U4.2 U4.3 U4.4 U4.5 U4.6 U4.7 U4.12 U4.14 U4.15 U4.16 U4.17 U4.19 U4.21 U4.22 USB1.0 USB1.A8 USB1.B8
copper on no net: | length 5
  Bottom Layer w0.254: 76.9,36.8 ccw(c77.95,36.65) 77.8,35.6 ; 112.7,35.5 ccw(c112.85,36.55) 113.9,36.4 ; 113.1,85.6 cw(c112.95,84.55) 114,84.4

## Polygon pours and split planes (outlines as drawn)
VCC_3V3 on GND02 (split plane): 113.121,85.075 113.201,85.042 113.274,84.996 113.34,84.94 113.396,84.874 113.442,84.801 113.475,84.721 113.495,84.636 113.502,84.55 113.496,84.472 113.497,84.472 113.495,84.451 113.49,84.401 113.39,36.441 113.375,36.379 113.342,36.299 113.296,36.226 113.24,36.16 113.174,36.104 113.101,36.058 113.021,36.025 112.936,36.005 112.85,35.998 112.772,36.004 112.772,36.003 112.751,36.005 112.701,36.01 77.841,36.11 77.779,36.125 77.699,36.158 77.626,36.204 77.56,36.26 77.504,36.326 77.458,36.399 77.425,36.479 77.405,36.564 77.398,36.65 77.404,36.728 77.403,36.728 77.41,36.8 77.41,85.088 113.059,85.09
no net on PWRO3 (split plane): 113.121,85.075 113.201,85.042 113.274,84.996 113.34,84.94 113.396,84.874 113.442,84.801 113.475,84.721 113.495,84.636 113.502,84.55 113.496,84.472 113.497,84.472 113.495,84.451 113.49,84.401 113.39,36.441 113.375,36.379 113.342,36.299 113.296,36.226 113.24,36.16 113.174,36.104 113.101,36.058 113.021,36.025 112.936,36.005 112.85,35.998 112.772,36.004 112.772,36.003 112.751,36.005 112.701,36.01 77.841,36.11 77.779,36.125 77.699,36.158 77.626,36.204 77.56,36.26 77.504,36.326 77.458,36.399 77.425,36.479 77.405,36.564 77.398,36.65 77.404,36.728 77.403,36.728 77.41,36.8 77.41,85.088 113.059,85.09

## Silkscreen, mask and mechanical layers (free items; w line width, h text height)
Mechanical 1:
  lines w0.254: 76.9,36.8 76.9,85.6 ; 76.962,85.598 113.1,85.6 ; 77.8,35.6 112.7,35.5 ; 113.9,36.4 114,84.4

## Text inside footprints (layer, text, board x,y; h text height)
SW_IMU1: Bottom Overlay "ON" at 102.32,42.045 h1 r270
SW_IMU2: Bottom Overlay "ON" at 102.596,47.403 h1 r270
SW_IMU3: Bottom Overlay "ON" at 102.32,52.265 h1 r270
SW_TF1: Bottom Overlay "ON" at 102.32,57.248 h1 r270
T1: Top Overlay "1" at 104.472,54.011 h1.02; Top Overlay "14" at 90.809,53.996 h1.02
TF1: Bottom Overlay "k" at 97.358,72.345 h0.76 r180; Bottom Overlay "8" at 98.628,72.345 h0.76 r180; Bottom Overlay "7" at 99.745,72.345 h0.76 r180; Bottom Overlay "6" at 100.812,72.345 h0.76 r180; Bottom Overlay "5" at 101.879,72.345 h0.76 r180; Bottom Overlay "4" at 102.946,72.345 h0.76 r180; Bottom Overlay "3" at 104.139,72.345 h0.76 r180; Bottom Overlay "2" at 105.206,72.345 h0.76 r180; Bottom Overlay "1" at 106.298,72.345 h0.76 r180